# KiCad board misrc_v2.5.kicad_pcb (continued)
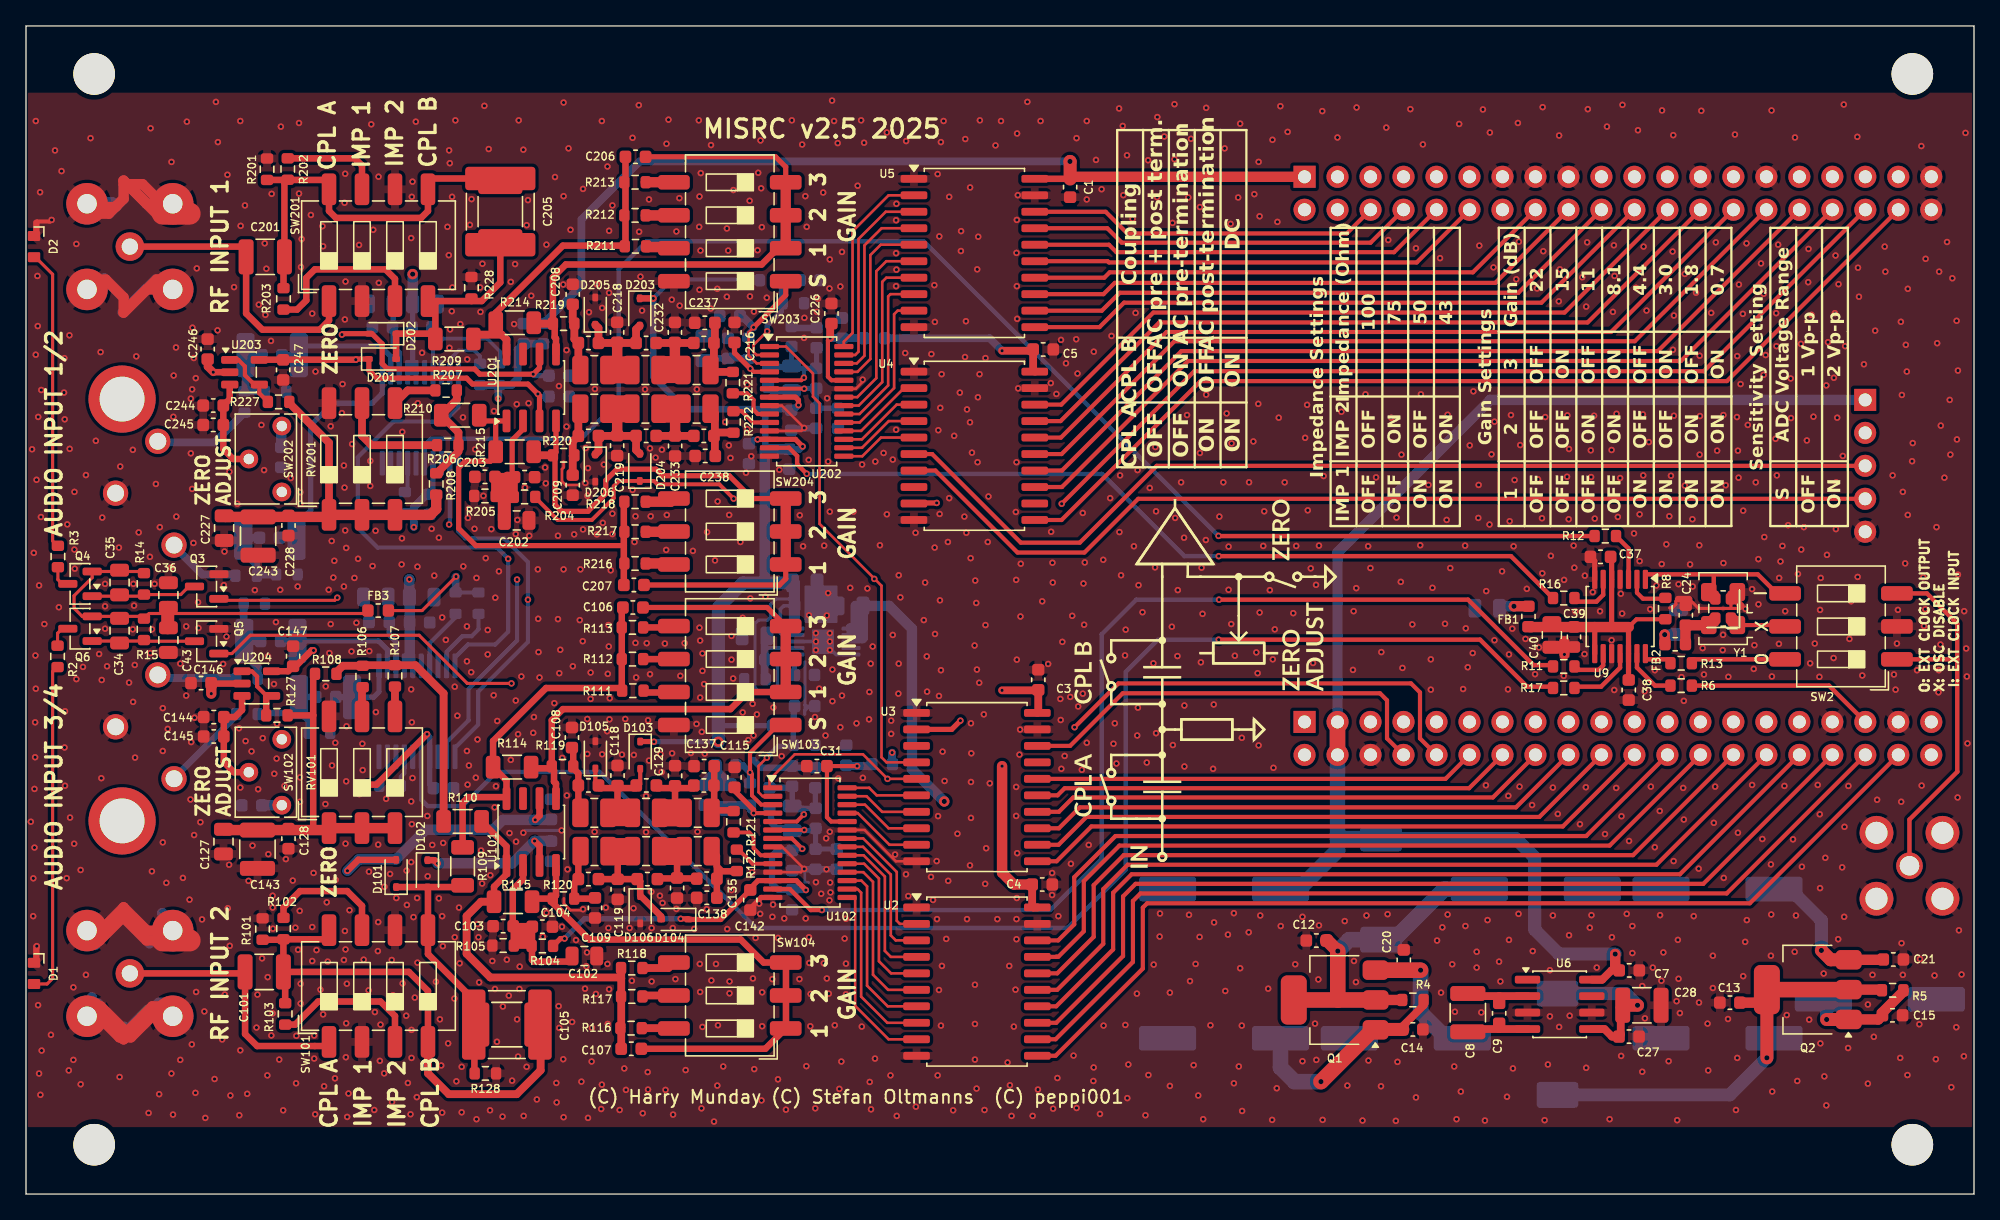
[diagram p0: board, top side]
## Library data of the parts
C1-C5 C7 C12 C13 C20 C21 C24 C29-C31 C145 C148 C245 C303 C304 C403 C404 = -: Manufacturer_Part_Number: UMK107AB7105KA-T; LCSC Part #: C105174; Max Tolerance: 10%; Capacitor Ceramic: X7R; ki_fp_filters: C_*
C6 C11 C16-C19 = -: Manufacturer_Part_Number: 16SVPF1000M; LCSC Part #: C236289; FT Rotation Offset: 180; Max Tolerance: 20%; Capacitor Ceramic: Polymer; Manufacturer_Name: Panasonic; Mouser Part Number: 667-16SVPF1000M; ki_fp_filters: CP_*
C8 C28 = -: Manufacturer_Part_Number: TMK325ABJ476MM-T; LCSC Part #: C555369; Max Tolerance: 20%; Capacitor Ceramic: X5R; ki_fp_filters: C_*
C9 C14 C15 C26 C37-C39 C103 C112 C113 C115 C120 C122-C126 C139 C140 C142 C146 C147 C203 C212 C213 C215 C220 C222-C226 C239 C240 C242 C246 C247 C306 C307 C309 C406 C407 C409 = -: Manufacturer_Part_Number: CC0603KRX7R9BB104; LCSC Part #: C14663; Max Tolerance: 10%; Capacitor Ceramic: X7R; ki_fp_filters: C_*
C10 = -: Description: Polarized capacitor; Manufacturer_Part_Number: 16SVPF1000M; LCSC Part #: C236289; FT Rotation Offset: 180; Max Tolerance: 20%; Capacitor Ceramic: Polymer; Manufacturer_Name: Panasonic; Mouser Part Number: 667-16SVPF1000M; ki_fp_filters: CP_*
C22 C25 C32 C34-C36 C40-C43 C102 C127 C131 C136 C202 C227 C231 C236 C301 C308 C401 C408 = -: Manufacturer_Part_Number: GRM21BR61H106KE43L; LCSC Part #: C440198; Max Tolerance: 20%; Capacitor Ceramic: X7R; ki_fp_filters: C_*
C23 C27 C33 C104 C111 C114 C116 C121 C128 C144 C204 C211 C214 C216 C221 C228 C244 = -: Manufacturer_Part_Number: CC0603JRNPO9BN102; LCSC Part #: C106246; Max Tolerance: 10%; Capacitor Ceramic: NP0/C0G; ki_fp_filters: C_*
C101 C143 C201 C243 = -: Manufacturer_Part_Number: EMK325ABJ107MM-P; LCSC Part #: C90143; Max Tolerance: 20%; Capacitor Ceramic: X5R; ki_fp_filters: C_*
C105 C205 = -: Manufacturer_Part_Number: C2220C474J5GAC; LCSC Part #: C3872921; Max Tolerance: 10%; Capacitor Ceramic: U2J/NP0/C0G; ki_fp_filters: C_*
C106 C107 C206 C207 = -: Capacitor Ceramic: NP0/C0G; ki_fp_filters: C_*
C108 C109 C208 C209 = -: Manufacturer_Part_Number: CC0603FRNPO9BN241; LCSC Part #: C519570; Max Tolerance: 1%; Capacitor Ceramic: NP0/C0G; ki_fp_filters: C_*
C110 C117 C210 C217 = -: Manufacturer_Part_Number: CC0603FRNPO9BN150; LCSC Part #: C519483; Max Tolerance: 1%; Capacitor Ceramic: NP0/C0G; ki_fp_filters: C_*
C118 C119 C218 C219 = -: Manufacturer_Part_Number: GCM1885C2A391FA16D; LCSC Part #: C1864402; Max Tolerance: 1%; Capacitor Ceramic: NP0/C0G; ki_fp_filters: C_*
C129 C130 C229 C230 = -: Manufacturer_Part_Number: CC0603FRNPO9BN680; LCSC Part #: C513699; Max Tolerance: 1%; Capacitor Ceramic: NP0/C0G; ki_fp_filters: C_*
C132 C133 C232 C233 = -: Manufacturer_Part_Number: GCM1885C2A361FA16D; LCSC Part #: C3859396; Max Tolerance: 1%; Capacitor Ceramic: NP0/C0G; Manufacturer_Name: Murata; Mouser Part Number: 81-GCM1885C2A361FA6D; ki_fp_filters: C_*
C134 C135 C234 C235 = -: Manufacturer_Part_Number: CC0603FRNPO9BN510; LCSC Part #: C519494; Max Tolerance: 1%; Capacitor Ceramic: NP0/C0G; ki_fp_filters: C_*
C137 C138 C237 C238 = -: Manufacturer_Part_Number: GCM1885C2A201FA16J; LCSC Part #: C1864235; Max Tolerance: 1%; Capacitor Ceramic: NP0/C0G; ki_fp_filters: C_*
C141 C241 C302 C305 C402 C405 = -: Manufacturer_Part_Number: C1812C944J5JLC7805; LCSC Part #: C2180018; Manufacturer_Name: Kemet; Max Tolerance: 5%; Part Selection Note: This is a stacked capacitor; Capacitor Ceramic: U2J/NP0/C0G; Mouser Part Number: 80-C1812C944J5JLCLTU; ki_fp_filters: C_*
D1 D2 = -: Manufacturer_Part_Number: XL-1606UOC; LCSC Part #: C965861; ki_fp_filters: LED* LED_SMD:* LED_THT:*
D101-D106 D201-D206 = -: Description: Schottky diode; Manufacturer_Part_Number: BAT54H; LCSC Part #: C5381403; ki_fp_filters: TO-???* *_Diode_* *SingleDiode* D_*
FB1-FB3 FB101 FB201 FB301 = -: Description: Ferrite bead; LCSC Part #: C85824; Manufacturer_Part_Number: BLM18AG102SN1D; ki_fp_filters: Inductor_* L_* *Ferrite*
H1-H9 = -: ki_fp_filters: MountingHole*
H10-H14 = -: Description: Mounting Hole without connection; ki_fp_filters: MountingHole*
J1 J2 = -: Manufacturer_Part_Number: PZ2.54-2*20; LCSC Part #: C5224014
J4 = -: Manufacturer_Part_Number: RF2-49B-T-00-50-G-HDW; LCSC Part #: C3195386; Manufacturer_Name: Adam Tech; Mouser Part Number: 737-RF249BT0050GHDW; ki_fp_filters: Connector*:*_1x??-1SH*
J5 = -: Description: Generic connector, single row, 01x05, script generated; LCSC Part #: C2897387; Manufacturer_Part_Number: PM254-1-05-W-8.5; ki_fp_filters: Connector*:*_1x??_*
J101 J201 = -: Manufacturer_Part_Number: DOSIN-801-0050; LCSC Part #: C521210; FT Rotation Offset: 180
J301 = -: Datasheet: https://componentsearchengine.com/Datasheets/1/KLP42X-61-WW_RR.pdf; Description: RCA Phono Connectors PCB STACKED 2X2 WHT WHT OVR RED RED; Height: 26.85; Mouser Part Number: 806-KLP42X-61-WWRR; Mouser Price/Stock: https://www.mouser.co.uk/ProductDetail/Kycon/KLP42X-61-WW-RR?qs=PTHxl2cumbnS989KtdaLFQ%3D%3D; Manufacturer_Name: Kycon; Manufacturer_Part_Number: KLP42X-61-WW/RR; LCSC Part #: C19843146
L1 L2 = -: Manufacturer_Part_Number: SRU8043-101Y; LCSC Part #: C2041672; Manufacturer_Name: Bourns; Mouser Part Number: 652-SRU8043-101Y; ki_fp_filters: Choke_* *Coil* Inductor_* L_*
L101 L102 L201 L202 = -: Description: Inductor; Manufacturer_Part_Number: LQW2UASR62F00L; LCSC Part #: C2042960; Max Tolerance: 1%; ki_fp_filters: Choke_* *Coil* Inductor_* L_*
L103-L106 L203-L206 = -: Description: Inductor; Manufacturer_Part_Number: LQW2UASR56F00L; LCSC Part #: C907989; Max Tolerance: 1%; ki_fp_filters: Choke_* *Coil* Inductor_* L_*
Q1 = -: Manufacturer_Part_Number: FZT690BTA; LCSC Part #: C156316
Q2 = -: LCSC Part #: C460090
Q3 Q5 = -: Datasheet: http://www.aosmd.com/pdfs/datasheet/AO3400A.pdf; Description: 30V Vds, 5.7A Id, N-Channel MOSFET, SOT-23; LCSC Part #: C20917; ki_fp_filters: SOT?23*
Q4 Q6 = -: Datasheet: http://www.aosmd.com/pdfs/datasheet/AO3401A.pdf; Description: -4.0A Id, -30V Vds, P-Channel MOSFET, SOT-23; LCSC Part #: C15127; ki_fp_filters: SOT?23*
R2 R3 = -: Manufacturer_Part_Number: 0603WAF1000T5E; LCSC Part #: C22775; Max Tolerance: 1%; ki_fp_filters: R_*
R4 R5 R8 R305 R306 R308 R405 R406 R408 = -: Manufacturer_Part_Number: 0603WAF4700T5E; LCSC Part #: C23179; Max Tolerance: 1%; ki_fp_filters: R_*
R6 R11-R13 R16 R17 R127 R227 = -: Manufacturer_Part_Number: 0603WAF100JT5E; LCSC Part #: C22859; Max Tolerance: 1%; ki_fp_filters: R_*
R7 = -: Manufacturer_Part_Number: RT0603BRD0730KL; LCSC Part #: C723585; Max Tolerance: 0.1%; ki_fp_filters: R_*
R14 R15 = -: Manufacturer_Part_Number: 0603WAF3002T5E; LCSC Part #: C22984; Max Tolerance: 1%; ki_fp_filters: R_*
R101 R102 R201 R202 = -: Manufacturer_Part_Number: RT0603BRD07100RL; LCSC Part #: C122970; Max Tolerance: 0.1%; ki_fp_filters: R_*
R103 R203 = -: Manufacturer_Part_Number: RT0603BRD07300RL; LCSC Part #: C705763; Max Tolerance: 0.1%; ki_fp_filters: R_*
R104 R105 R111 R116 R204 R205 R211 R216 = -: Manufacturer_Part_Number: RT0603BRD071KL; LCSC Part #: C110776; Max Tolerance: 0.1%; ki_fp_filters: R_*
R106 R108 R206 R208 = -: Manufacturer_Part_Number: RT0603BRD0749R9L; LCSC Part #: C861434; Max Tolerance: 0.1%; ki_fp_filters: R_*
R107 R207 = -: Manufacturer_Part_Number: TC0325B1500T5F; LCSC Part #: C425408; Max Tolerance: 0.1%; ki_fp_filters: R_*
R109 R110 R209 R210 = -: Manufacturer_Part_Number: ARG06BTC4990; LCSC Part #: C2984516; Max Tolerance: 0.1%; ki_fp_filters: R_*
R112 R117 R212 R217 = -: Manufacturer_Part_Number: RT0603BRD072K49L; LCSC Part #: C861299; Max Tolerance: 0.1%; ki_fp_filters: R_*
R113 R118 R213 R218 = -: Manufacturer_Part_Number: RT0603BRD074K99L; LCSC Part #: C723532; Max Tolerance: 0.1%; ki_fp_filters: R_*
R114 R115 R214 R215 = -: Manufacturer_Part_Number: RT1206BRD076K65L; LCSC Part #: C870864; Max Tolerance: 0.1%; ki_fp_filters: R_*
R119-R122 R219-R222 = -: Manufacturer_Part_Number: TC0325B470JT5F; LCSC Part #: C2989449; Max Tolerance: 0.1%; ki_fp_filters: R_*
R123 R124 R128 R223 R224 R228 R301 R302 R401 R402 = -: Manufacturer_Part_Number: 0603WAF1002T5E; LCSC Part #: C25804; Max Tolerance: 1%; ki_fp_filters: R_*
R126 R226 = -: Manufacturer_Part_Number: 0603WAF6801T5E; LCSC Part #: C23212; Max Tolerance: 0.1%; ki_fp_filters: R_*
R303 R304 R403 R404 = -: Manufacturer_Part_Number: 0603WAF4702T5E; LCSC Part #: C25819; Max Tolerance: 1%; ki_fp_filters: R_*
RV101 RV201 = -: Manufacturer_Part_Number: 3266W-1-103LF; LCSC Part #: C462144; FT Rotation Offset: -90; Max Tolerance: 20%; ki_fp_filters: Potentiometer*
SW2 SW102 SW104 SW202 SW204 = -: Manufacturer_Part_Number: SDA03H1SBD; LCSC Part #: C221951; FT Rotation Offset: -90; Manufacturer_Name: C & K COMPONENTS; ki_fp_filters: SW?DIP?x3*
SW101 SW103 SW201 SW203 = -: Manufacturer_Part_Number: SDA04H1SBD; LCSC Part #: C221954; FT Rotation Offset: -90; Manufacturer_Name: C & K COMPONENTS; Mouser Part Number: 611-SDA04H1SBDR; ki_fp_filters: SW?DIP?x4*
U2-U5 = -: Datasheet: http://www.ti.com/lit/gpn/sn74LS541; Manufacturer_Part_Number: 74VHC541D,118; LCSC Part #: C549133; Manufacturer_Name: Nexperia; Mouser Part Number: 771-74VHC541D118; ki_fp_filters: DIP?20*
U6 = -: Datasheet: http://datasheets.maximintegrated.com/en/ds/ICL7660-MAX1044.pdf; Description: Switched-Capacitor Voltage Converter, 1.5V to 10.0V operating supply voltage, 10mA with a 0.5V output drop, SO-8/DIP-8/µMAX-8/TO-99; Manufacturer_Part_Number: LM2662MX/NOPB; LCSC Part #: C129316; Manufacturer_Name: TI; ki_fp_filters: DIP*W7.62mm* SOIC*3.9x4.9mm* MSOP*3x3mm*P0.65mm* TO?99*
U7 = -: Datasheet: https://www.analog.com/media/en/technical-documentation/data-sheets/3042fb.pdf; Description: 200mA, Adjustable, Ultralow Noise, Ultrahigh PSRR RF Linear Regulator, MSOP-10; Manufacturer_Part_Number: LT3042EMSE#TRPBF; LCSC Part #: C461518; Manufacturer_Name: Analog/LT; ki_fp_filters: MSOP*1EP*3x3mm*P0.5mm*
U9 = -: LCSC Part #: C2868240; Manufacturer_Name: TI; Manufacturer_Part_Number: LMK1C1106PWR
U101 U201 = -: Datasheet: https://www.analog.com/media/en/technical-documentation/data-sheets/AD8138.pdf; LCSC Part #: C652360; FT Rotation Offset: -90; Manufacturer_Name: Analog
U102 U202 = -: Manufacturer_Part_Number: AD9235BRUZ-40; LCSC Part #: C653331; Manufacturer_Name: Analog
U203 U204 = -: Datasheet: https://ww1.microchip.com/downloads/en/DeviceDoc/MCP6001-1R-1U-2-4-1-MHz-Low-Power-Op-Amp-DS20001733L.pdf; Description: 1MHz, Low-Power Op Amp, SOT-23-5; LCSC Part #: C208650; Manufacturer_Name: Analog; Manufacturer_Part_Number: ADA4004-1ARJZ-R7; Mouser Part Number: 584-ADA4004-1ARJZ-R7; ki_fp_filters: SOT?23*
U301 U401 = -: LCSC Part #: C2866894; Manufacturer_Name: TI; Mouser Part Number: 595-PCM1802DBR; ki_fp_filters: DB0020A-IPC_A DB0020A-IPC_B DB0020A-IPC_C DB0020A-MFG
Y1 = -: Description: 40MHz 6mA HCMOS ±2.5ppm SMD2520-4P TCXO; Height: 0.9; Mouser Part Number: 520-T2520-33-400-ANT; Manufacturer_Name: ECS; LCSC Part #: C6239321; Alternative Part: ECS-TXO-2520MV-400-AN-TR
Y2 = -: Description: 40MHz 6mA HCMOS ±2.5ppm SMD2520-4P TCXO; Height: 0.9; Manufacturer_Name: ECS; Manufacturer_Part_Number: ECS-TXO-2016-33-400-TR; Alternative Part: ECS-TXO-2016MV-400-TR
Y3 = -: Description: 40MHz 6mA HCMOS ±2.5ppm SMD2520-4P TCXO; Height: 0.9

## Footprints (pads in the part's own frame, mm; a bottom-side part is the same pattern mirrored in y, then rotated)
BNC_Right_Angle-DOSIN-801-0050_5pin
  round 2.2 hole 1.25: 1(0,0)
  round 3.2 hole 1.5: 2(-3.3,3.3) 3(3.3,3.3) 4(-3.3,-3.3) 5(3.3,-3.3)
C_0603_1608Metric
  rrect 0.9x0.95 smd: 1(-0.775,0) 2(0.775,0)
C_0805_2012Metric
  rrect 1x1.45 smd: 1(-0.95,0) 2(0.95,0)
C_1210_3225Metric
  rrect 1.15x2.7 smd: 1(-1.475,0) 2(1.475,0)
C_1812_4532Metric
  rrect 1.4x3.4 smd: 1(-2.05,0) 2(2.05,0)
C_2220_5750Metric
  rrect 1.8x5.4 smd: 1(-2.55,0) 2(2.55,0)
CP_Elec_10x12.6
  rrect 4.4x1.9 smd: 1(-4.35,0) 2(4.35,0)
D_SOD-323
  rrect 0.6x0.45 smd: 1(-1.05,0) 2(1.05,0)
KLP42X61WWRR
  round 1.95 hole 1.3: 1(0,0) 2(-4,4.5) 3(4,3.25) 4(18,0) 5(14,4.5) 6(22,3.25)
  round 5.175 hole 3.45: MH1(-7.25,0.5) MH2(25.25,0.5)
L_0603_1608Metric
  rrect 0.875x0.95 smd: 1(-0.787,0) 2(0.787,0)
L_1008_2520Metric
  rrect 1.25x2.2 smd: 1(-1.075,0) 2(1.075,0)
L_Bourns-SRU8043_2
  rrect 2x3.2 smd: 1(-3.9,0) 2(3.9,0)
LED_XL1606
  rrect 0.77x0.95 smd: 1(-0.815,0) 2(0.815,0)
MountingHole_3.2mm_M3
  round 3.2 hole 3.2 unplated: (0,0)
MSOP-10-1EP_3x3mm_P0.5mm_EP1.68x1.88mm
  rrect 0.68x0.76 smd: (-0.42,-0.47) (-0.42,0.47) (0.42,-0.47) (0.42,0.47)
  rrect 1.45x0.3 smd: 1(-2.15,1) 2(-2.15,0.5) 3(-2.15,0) 4(-2.15,-0.5) 5(-2.15,-1) 6(2.15,-1) 7(2.15,-0.5) 8(2.15,0) 9(2.15,0.5) 10(2.15,1)
  rect 1.68x1.88 smd: 11(0,0)
Oscillator_SMD_ECS_2520MV-xxx-xx-4Pin_2.5x2.0mm
  rrect 0.8x0.9 smd: 1(-0.725,0.925) 2(-0.725,-0.925) 3(0.725,-0.925) 4(0.725,0.925)
Oscillator_SMD_EuroQuartz_XO53-4Pin_5.0x3.2mm
  rrect 1.4x1.2 smd: 1(-1.27,-1.1) 2(1.27,-1.1) 3(1.27,1.1) 4(-1.27,1.1)
Oscillator_SMD_SiT_PQFN-4Pin_2.0x1.6mm
  rrect 0.9x0.8 smd: 1(-0.75,-0.6) 2(0.75,-0.6) 3(0.75,0.6) 4(-0.75,0.6)
PinHeader_2x20_P2.54mm_Vertical
  rect 1.7x1.7 hole 1: 1(0,0)
  round 1.7 hole 1: 2(2.54,0) 3(0,-2.54) 4(2.54,-2.54) 5(0,-5.08) 6(2.54,-5.08) 7(0,-7.62) 8(2.54,-7.62) 9(0,-10.16) 10(2.54,-10.16) 11(0,-12.7) 12(2.54,-12.7) 13(0,-15.24) 14(2.54,-15.24) 15(0,-17.78) 16(2.54,-17.78) 17(0,-20.32) 18(2.54,-20.32) 19(0,-22.86) 20(2.54,-22.86) 21(0,-25.4) 22(2.54,-25.4) 23(0,-27.94) 24(2.54,-27.94) 25(0,-30.48) 26(2.54,-30.48) 27(0,-33.02) 28(2.54,-33.02) 29(0,-35.56) 30(2.54,-35.56) 31(0,-38.1) 32(2.54,-38.1) 33(0,-40.64) 34(2.54,-40.64) 35(0,-43.18) 36(2.54,-43.18) 37(0,-45.72) 38(2.54,-45.72) 39(0,-48.26) 40(2.54,-48.26)
PinSocket_1x05_P2.54mm_Horizontal
  rect 1.7x1.7 hole 1: 1(0,0)
  round 1.7 hole 1: 2(0,-2.54) 3(0,-5.08) 4(0,-7.62) 5(0,-10.16)
Potentiometer_Bourns_3266W_Vertical
  round 1.44 hole 0.8: 1(0,0) 2(-2.54,-2.54) 3(-5.08,0)
R_0603_1608Metric
  rrect 0.8x0.95 smd: 1(-0.825,0) 2(0.825,0)
R_1206_3216Metric
  rrect 1.125x1.75 smd: 1(-1.462,0) 2(1.462,0)
SMA_Amphenol_901-144_Vertical2
  round 2.05 hole 1.5: 1(0,0)
  round 2.6 hole 1.7: 2(-2.54,-2.54) 2(-2.54,2.54) 2(2.54,-2.54) 2(2.54,2.54)
SO-8_3.9x4.9mm_P1.27mm
  rrect 1.75x0.6 smd: 1(-2.575,1.905) 2(-2.575,0.635) 3(-2.575,-0.635) 4(-2.575,-1.905) 5(2.575,-1.905) 6(2.575,-0.635) 7(2.575,0.635) 8(2.575,1.905)
SOIC-8_3.9x4.9mm_P1.27mm
  rrect 1.95x0.6 smd: 1(-2.475,1.905) 2(-2.475,0.635) 3(-2.475,-0.635) 4(-2.475,-1.905) 5(2.475,-1.905) 6(2.475,-0.635) 7(2.475,0.635) 8(2.475,1.905)
SOIC-20W_7.5x12.8mm_P1.27mm
  rrect 2.05x0.6 smd: 1(-4.65,5.715) 2(-4.65,4.445) 3(-4.65,3.175) 4(-4.65,1.905) 5(-4.65,0.635) 6(-4.65,-0.635) 7(-4.65,-1.905) 8(-4.65,-3.175) 9(-4.65,-4.445) 10(-4.65,-5.715) 11(4.65,-5.715) 12(4.65,-4.445) 13(4.65,-3.175) 14(4.65,-1.905) 15(4.65,-0.635) 16(4.65,0.635) 17(4.65,1.905) 18(4.65,3.175) 19(4.65,4.445) 20(4.65,5.715)
SOT-23
  rrect 1.475x0.6 smd: 1(-0.938,0.95) 2(-0.938,-0.95) 3(0.938,0)
SOT-23-5
  rrect 1.325x0.6 smd: 1(-1.137,0.95) 2(-1.137,0) 3(-1.137,-0.95) 4(1.137,-0.95) 5(1.137,0.95)
SOT-223-3_TabPin2
  rrect 2x1.5 smd: 1(-3.15,2.3) 2(-3.15,0) 3(-3.15,-2.3)
  rrect 2x3.8 smd: 2(3.15,0)
SSOP-20_5.3x7.2mm_P0.65mm
  rrect 1.9x0.4 smd: 1(-3.5,2.925) 2(-3.5,2.275) 3(-3.5,1.625) 4(-3.5,0.975) 5(-3.5,0.325) 6(-3.5,-0.325) 7(-3.5,-0.975) 8(-3.5,-1.625) 9(-3.5,-2.275) 10(-3.5,-2.925) 11(3.5,-2.925) 12(3.5,-2.275) 13(3.5,-1.625) 14(3.5,-0.975) 15(3.5,-0.325) 16(3.5,0.325) 17(3.5,0.975) 18(3.5,1.625) 19(3.5,2.275) 20(3.5,2.925)
SW_DIP_SPSTx03_Slide_6.7x9.18mm_W8.61mm_P2.54mm_LowProfile
  rrect 2.44x1.12 smd: 1(-4.305,2.54) 2(-4.305,0) 3(-4.305,-2.54) 4(4.305,-2.54) 5(4.305,0) 6(4.305,2.54)
SW_DIP_SPSTx04_Slide_6.7x11.72mm_W8.61mm_P2.54mm_LowProfile
  rrect 2.44x1.12 smd: 1(-4.305,3.81) 2(-4.305,1.27) 3(-4.305,-1.27) 4(-4.305,-3.81) 5(4.305,-3.81) 6(4.305,-1.27) 7(4.305,1.27) 8(4.305,3.81)
TSSOP-14_4.4x5mm_P0.65mm
  rrect 1.475x0.4 smd: 1(-2.862,1.95) 2(-2.862,1.3) 3(-2.862,0.65) 4(-2.862,0) 5(-2.862,-0.65) 6(-2.862,-1.3) 7(-2.862,-1.95) 8(2.862,-1.95) 9(2.862,-1.3) 10(2.862,-0.65) 11(2.862,0) 12(2.862,0.65) 13(2.862,1.3) 14(2.862,1.95)
TSSOP-28_4.4x9.7mm_P0.65mm
  rrect 1.475x0.4 smd: 1(-2.862,4.225) 2(-2.862,3.575) 3(-2.862,2.925) 4(-2.862,2.275) 5(-2.862,1.625) 6(-2.862,0.975) 7(-2.862,0.325) 8(-2.862,-0.325) 9(-2.862,-0.975) 10(-2.862,-1.625) 11(-2.862,-2.275) 12(-2.862,-2.925) 13(-2.862,-3.575) 14(-2.862,-4.225) 15(2.862,-4.225) 16(2.862,-3.575) 17(2.862,-2.925) 18(2.862,-2.275) 19(2.862,-1.625) 20(2.862,-0.975) 21(2.862,-0.325) 22(2.862,0.325) 23(2.862,0.975) 24(2.862,1.625) 25(2.862,2.275) 26(2.862,2.925) 27(2.862,3.575) 28(2.862,4.225)

## Nets
+5V: C6.1 C7.1 J1.3 J1.4 J5.1 L1.1 U6.8
+5VA: C18.1 C20.1 C30.1 C32.2 C123.1 C147.1 C223.1 C247.1 D102.1 D201.1 Q1.3 RV101.3 RV201.3 U7.1 U7.2 U7.3 U101.3 U201.3 U203.5 U204.5
+5Vpcm: C10.1 C12.1 C307.1 C308.1 C407.1 C408.1 L1.2 Q1.2 R4.1 U301.4 U301.5 U401.4 U401.5
-5VA: C19.2 C21.1 C29.1 C122.2 C146.2 C222.2 C246.2 D101.2 D202.2 Q2.3 RV101.1 RV201.1 U101.6 U201.6 U203.2 U204.2
GND: C1.2 C2.2 C3.2 C4.2 C5.2 C6.2 C7.2 C10.2 C11.1 C12.2 C13.2 C14.2 C15.2 C16.2 C17.1 C18.2 C19.1 C20.2 C21.2 C22.1 C23.1 C24.2 C25.2 C26.2 C27.1 C28.1 C29.2 C30.2 C31.2 C32.1 C33.1 C36.2 C37.2 C38.2 C39.2 C40.2 C41.2 C42.2 C43.2 C102.2 C103.2 C104.2 C108.1 C109.2 C111.1 C112.1 C113.1 C114.1 C115.2 C116.2 C118.1 C119.1 C122.1 C123.2 C124.2 C125.2 C126.2 C127.2 C128.2 C131.2 C132.1 C133.1 C137.1 C138.1 C139.2 C140.2 C142.2 C143.1 C144.2 C145.2 C146.1 C147.2 C148.2 C202.2 C203.2 C204.2 C208.1 C209.2 C211.1 C212.1 C213.1 C214.1 C215.2 C216.2 C218.1 C219.1 C222.1 C223.2 C224.2 C225.2 C226.2 C227.2 C228.2 C231.2 C232.1 C233.1 C237.1 C238.1 C239.2 C240.2 C242.2 C243.1 C244.2 C245.2 C246.1 C247.2 C301.2 C306.2 C307.2 C308.2 C309.1 C401.2 C406.2 C407.2 C408.2 C409.1 D1.1 D2.1 D105.2 D106.2 D205.2 D206.2 J1.6 J1.33 J1.37 J2.13 J2.15 J2.17 J2.25 J2.29 J2.39 J2.40 J4.2 J5.5 J101.2 J101.3 J101.4 J101.5 J201.2 J201.3 J201.4 J201.5 J301.1 J301.4 Q3.2 Q5.2 R7.1 R101.1 R105.1 R126.1 R128.2 R201.1 R205.1 R226.1 R228.2 R303.1 R304.1 R403.1 R404.1 SW2.2 SW101.2 SW101.6 SW102.6 SW103.8 SW201.2 SW201.6 SW202.6 SW203.8 U2.1 U2.10 U2.19 U3.1 U3.10 U3.19 U4.1 U4.10 U4.19 U5.1 U5.10 U5.19 U6.3 U6.6 U7.5 U7.8 U7.11 U9.4 U9.7 U9.10 U102.8 U102.11 U102.14 U102.23 U202.8 U202.11 U202.14 U202.23 U301.6 U301.8 U301.13 U301.16 U301.18 U301.19 U301.20 U401.6 U401.8 U401.13 U401.16 U401.18 U401.19 U401.20 Y1.2 Y2.2 Y3.2
VCCQ: C148.1 C309.2 C409.2 FB3.1 FB301.2 R305.1 R306.1 R308.1 R405.1 R406.1 R408.1 U301.14 U401.14
VDD: C1.1 C3.1 C4.1 C5.1 C41.1 C42.1 FB1.1 FB2.1 FB101.1 FB201.1 FB301.1 J1.1 J2.1 J5.2 U2.20 U3.20 U4.20 U5.20
VDDA: C25.1 C26.1 C33.2 C124.1 C125.1 C142.1 C224.1 C225.1 C242.1 D103.1 D104.1 D203.1 D204.1 R104.2 R124.1 R204.2 R224.1 U7.6 U7.9 U7.10 U102.7 U102.12 U202.7 U202.12
VDDF: C24.1 FB2.2 Y1.4 Y2.4 Y3.4
/Audio_ADC/BCK1: J1.10 U301.11 U401.11
/Audio_ADC/DOUT1: U3.2 U301.12
/Audio_ADC/DOUT2: U4.9 U401.12
/Audio_ADC/LRCK1: J2.36 U301.10 U401.10
/Audio_ADC/SCKI1: R12.2 U301.15
/Audio_ADC/SCKI2: R17.2 U401.15
/AUX1: J5.4 U4.7
/AUX2: J5.3 U4.6
/clk_in: SW2.4 U9.1 Y1.3 Y2.3 Y3.3
/clk_out: R13.2 SW2.6
/DA0: U2.9 U102.15
/DA1: U2.8 U102.16
/DA2: U2.7 U102.17
/DA3: U2.6 U102.18
/DA4: U2.5 U102.19
/DA5: U2.4 U102.20
/DA6: U2.3 U102.21
/DA7: U2.2 U102.22
/DA8: U3.9 U102.25
/DA9: U3.8 U102.26
/DA10: U3.7 U102.27
/DA11: U3.6 U102.28
/DB0: U4.5 U202.15
/DB1: U4.4 U202.16
/DB2: U4.3 U202.17
/DB3: U4.2 U202.18
/DB4: U5.9 U202.19
/DB5: U5.8 U202.20
/DB6: U5.7 U202.21
/DB7: U5.6 U202.22
/DB8: U5.5 U202.25
/DB9: U5.4 U202.26
/DB10: U5.3 U202.27
/DB11: U5.2 U202.28
/Input_ADC_CH1/CLK: R16.2 U202.13
/Input_ADC_CH2/CLK: R11.1 U102.13
/osc_en: SW2.5 Y1.1 Y2.1 Y3.1
/OTRA: Q5.1 U3.5 U102.1
/OTRB: Q3.1 U3.4 U202.1
IN1_L: J301.5 R302.1
IN1_R: J301.6 R301.1
IN2_L: J301.2 R402.1
IN2_R: J301.3 R401.1
VD: C34.1 C35.1 C36.1 C43.1 FB3.2 Q4.2 Q6.2 R14.1 R15.1
Net-(C37-Pad1): C37.1 C38.1 C39.1 C40.1 FB1.2 R8.2 U9.5 U9.8 U9.12
Net-(C101-Pad2): C101.2 C105.1 C141.1 R101.2 R102.2 R103.2 SW101.4 SW101.8
Net-(C106-Pad2): C106.2 R114.2 R119.1 SW103.2 SW103.3 SW103.4 U101.5
Net-(C107-Pad2): C107.2 R115.2 R120.1 SW104.1 SW104.2 SW104.3 U101.4
Net-(C108-Pad2): C108.2 C110.1 L101.1 R119.2
Net-(C109-Pad1): C109.1 C117.1 L102.2 R120.2
Net-(C127-Pad1): C127.1 C128.1 C143.2 R108.2 R127.1 SW102.1 SW102.2 SW102.3
Net-(C129-Pad2): C129.2 C132.2 C134.1 L103.2 L105.1
Net-(C130-Pad2): C130.2 C133.2 C135.1 L104.1 L106.2
Net-(C134-Pad2): C134.2 C137.2 L105.2 R121.1
Net-(C135-Pad2): C135.2 C138.2 L106.1 R122.1
Net-(C201-Pad2): C201.2 C205.1 C241.1 R201.2 R202.2 R203.2 SW201.5 SW201.8
Net-(C206-Pad2): C206.2 R214.2 R219.1 SW203.2 SW203.3 SW203.4 U201.5
Net-(C207-Pad2): C207.2 R215.2 R220.1 SW204.1 SW204.2 SW204.3 U201.4
Net-(C208-Pad2): C208.2 C210.1 L201.1 R219.2
Net-(C209-Pad1): C209.1 C217.1 L202.2 R220.2
Net-(C227-Pad1): C227.1 C228.1 C243.2 R208.2 R227.1 SW202.1 SW202.2 SW202.3
Net-(C229-Pad2): C229.2 C232.2 C234.1 L203.2 L205.1
Net-(C230-Pad2): C230.2 C233.2 C235.1 L204.1 L206.2
Net-(C234-Pad2): C234.2 C237.2 L205.2 R221.1
Net-(C235-Pad2): C235.2 C238.2 L206.1 R222.1
Net-(C302-Pad1): C302.1 C303.1 R301.2 R303.2
Net-(C304-Pad1): C304.1 C305.1 R302.2 R304.2
Net-(C402-Pad1): C402.1 C403.1 R401.2 R403.2
Net-(C404-Pad1): C404.1 C405.1 R402.2 R404.2
Net-(D1-A): D1.2 R2.2
Net-(D2-A): D2.2 R3.2
Net-(D101-K): C105.2 C141.2 D101.1 D102.2 R109.1 R128.1 SW101.5
Net-(D103-A): C110.2 C118.2 C129.1 D103.2 D105.1 L101.2 L103.1
Net-(D104-A): C117.2 C119.2 C130.1 D104.2 D106.1 L102.1 L104.2
Net-(D201-A): C205.2 C241.2 D201.2 D202.1 R209.1 R228.1 SW201.4
Net-(D203-A): C210.2 C218.2 C229.1 D203.2 D205.1 L201.2 L203.1
Net-(D204-A): C217.2 C219.2 C230.1 D204.2 D206.1 L202.1 L204.2
Net-(J1-DQ0): J1.38 U2.11
Net-(J1-DQ1): J1.36 U2.12
Net-(J1-DQ2): J1.34 U2.13
Net-(J1-DQ3): J1.32 U2.14
Net-(J1-DQ4): J1.30 U2.15
Net-(J1-DQ5): J1.28 U2.16
Net-(J1-DQ6): J1.26 U2.17
Net-(J1-DQ7): J1.24 U2.18
Net-(J1-DQ8): J1.22 U3.11
Net-(J1-DQ9): J1.20 U3.12
Net-(J1-DQ10): J1.18 U3.13
Net-(J1-DQ11): J1.16 U3.14
Net-(J1-DQ12): J1.14 U3.15
Net-(J1-DQ13): J1.12 U3.16
Net-(J1-DQ15): J1.8 U3.18
Net-(J1-PCLK): J1.35 R6.2
Net-(J2-DQ16): J2.38 U4.11
Net-(J2-DQ18): J2.34 U4.13
Net-(J2-DQ19): J2.32 U4.14
Net-(J2-DQ20): J2.30 U4.15
Net-(J2-DQ21): J2.28 U4.16
Net-(J2-DQ22): J2.26 U4.17
Net-(J2-DQ23): J2.24 U4.18
Net-(J2-DQ24): J2.22 U5.11
Net-(J2-DQ25): J2.20 U5.12
Net-(J2-DQ26): J2.18 U5.13
Net-(J2-DQ27): J2.16 U5.14
Net-(J2-DQ28): J2.12 U5.15
Net-(J2-DQ29): J2.10 U5.16
Net-(J2-DQ30): J2.8 U5.17
Net-(J2-DQ31): J2.6 U5.18
Net-(J4-Pin_1): J4.1 SW2.1 SW2.3
Net-(J101-Signal): C101.1 J101.1 SW101.1
Net-(J201-Signal): C201.1 J201.1 SW201.1
Net-(Q1-B): C14.1 C16.1 Q1.1 R4.2
Net-(Q2-B): C15.1 C17.2 Q2.1 R5.2
Net-(Q2-C): C11.2 C13.1 L2.2 Q2.2 R5.1
Net-(Q3-D): C35.2 Q3.3 Q4.1 R14.2
Net-(Q4-D): Q4.3 R3.1
Net-(Q5-D): C34.2 Q5.3 Q6.1 R15.2
Net-(Q6-D): Q6.3 R2.1
Net-(R102-Pad1): R102.1 SW101.7
Net-(R103-Pad1): R103.1 SW101.3
Net-(R106-Pad1): R106.1 R107.1 R108.1 R110.1
Net-(R106-Pad2): R106.2 SW102.5
Net-(R107-Pad2): R107.2 SW102.4
Net-(R111-Pad2): R111.2 SW103.7
Net-(R112-Pad2): R112.2 SW103.6
Net-(R113-Pad2): R113.2 SW103.5
Net-(R116-Pad2): R116.2 SW104.6
Net-(R117-Pad2): R117.2 SW104.5
Net-(R118-Pad2): R118.2 SW104.4
Net-(R202-Pad1): R202.1 SW201.7
Net-(R203-Pad1): R203.1 SW201.3
Net-(R206-Pad1): R206.1 R207.1 R208.1 R210.1
Net-(R206-Pad2): R206.2 SW202.5
Net-(R207-Pad2): R207.2 SW202.4
Net-(R211-Pad2): R211.2 SW203.7
Net-(R212-Pad2): R212.2 SW203.6
Net-(R213-Pad2): R213.2 SW203.5
Net-(R216-Pad2): R216.2 SW204.6
Net-(R217-Pad2): R217.2 SW204.5
Net-(R218-Pad2): R218.2 SW204.4
Net-(U6-CAP+): C8.1 C9.1 U6.2
Net-(U6-CAP-): C8.2 C9.2 U6.4
Net-(U6-VOUT): C27.2 C28.2 L2.1 U6.5
Net-(U7-SET): C22.2 C23.2 R7.2 U7.7
Net-(U9-1G): R8.1 U9.2
Net-(U9-Y0): R12.1 U9.3
Net-(U9-Y1): R13.1 U9.14
Net-(U9-Y2): R17.1 U9.11
Net-(U9-Y3): R6.1 U9.13
Net-(U9-Y4): R16.1 U9.6
Net-(U9-Y5): R11.2 U9.9
Net-(U101-+): C106.1 R109.2 R111.1 R112.1 R113.1 R114.1 U101.8
Net-(U101--): C107.1 R110.2 R115.1 R116.1 R117.1 R118.1 U101.1
Net-(U101-VCM): C102.1 C103.1 C104.1 R104.1 R105.2 U101.2
Net-(U102-DRVDD): C31.1 C126.1 FB101.2 U102.24
Net-(U102-IN): R121.2 U102.9
Net-(U102-MODE): C140.1 R124.2 R126.2 U102.2
Net-(U102-REFB): C113.2 C114.2 C120.2 C121.2 C136.2 U102.5
Net-(U102-REFT): C111.2 C112.2 C120.1 C121.1 C136.1 U102.6
Net-(U102-SENSE): C139.1 R123.2 SW103.1 U102.3
Net-(U102-VREF): C115.1 C116.1 C131.1 R123.1 U102.4
Net-(U102-~{IN}): R122.2 U102.10
Net-(U201-+): C206.1 R209.2 R211.1 R212.1 R213.1 R214.1 U201.8
Net-(U201--): C207.1 R210.2 R215.1 R216.1 R217.1 R218.1 U201.1
Net-(U201-VCM): C202.1 C203.1 C204.1 R204.1 R205.2 U201.2
Net-(U202-DRVDD): C2.1 C226.1 FB201.2 U202.24
Net-(U202-IN): R221.2 U202.9
Net-(U202-MODE): C240.1 R224.2 R226.2 U202.2
Net-(U202-REFB): C213.2 C214.2 C220.2 C221.2 C236.2 U202.5
Net-(U202-REFT): C211.2 C212.2 C220.1 C221.1 C236.1 U202.6
Net-(U202-SENSE): C239.1 R223.2 SW203.1 U202.3
Net-(U202-VREF): C215.1 C216.1 C231.1 R223.1 U202.4
Net-(U202-~{IN}): R222.2 U202.10
Net-(U203-+): C244.1 C245.1 RV201.2 U203.3
Net-(U203--): R227.2 U203.1 U203.4
Net-(U204-+): C144.1 C145.1 RV101.2 U204.3
Net-(U204--): R127.2 U204.1 U204.4
Net-(U301-FMT0): R305.2 U301.17
Net-(U301-FSYNC): R308.2 U301.9
Net-(U301-PDWN_N): R306.2 U301.7
Net-(U301-VINL): C304.2 C305.2 U301.1
Net-(U301-VINR): C302.2 C303.2 U301.2
Net-(U301-VREF1): C301.1 C306.1 U301.3
Net-(U401-FMT0): R405.2 U401.17
Net-(U401-FSYNC): R408.2 U401.9
Net-(U401-PDWN_N): R406.2 U401.7
Net-(U401-VINL): C404.2 C405.2 U401.1
Net-(U401-VINR): C402.2 C403.2 U401.2
Net-(U401-VREF1): C401.1 C406.1 U401.3

Pads without a net: J1 2 5 7 9 11 13 15 17 19 21 23 25 27 29 31 39 40; J2 2 3 4 5 7 9 11 14 19 21 23 27 31 33 35 37; J301 MH1 MH2; U3 3 17; U4 8 12; U6 1 7; U7 4; U101 7; U201 7

## Via types
v1: diameter 0.5, hole 0.25, Top to Bottom, 1614 vias
v2: diameter 0.8, hole 0.4, Top to Bottom, 14 vias
